# Altium PCB PCB_Left.PcbDoc (part 1 of 2)
Units mm, origin at the board's own origin, x right, y up, seen from the top; angles counter-clockwise.
Board outline 52.5 x 60 mm, 8 copper layers (Top Side, Inner 1 (HS), Inner 2 (GND), Inner Layer 3, Inner Layer 4, Inner 5 (GND), Inner 6 (HS), Bottom Side), stack 0.912 mm thick; 46 components, 96 nets, 347 pads, 360 vias.
Unrouted connection lines stored in the file: 18.
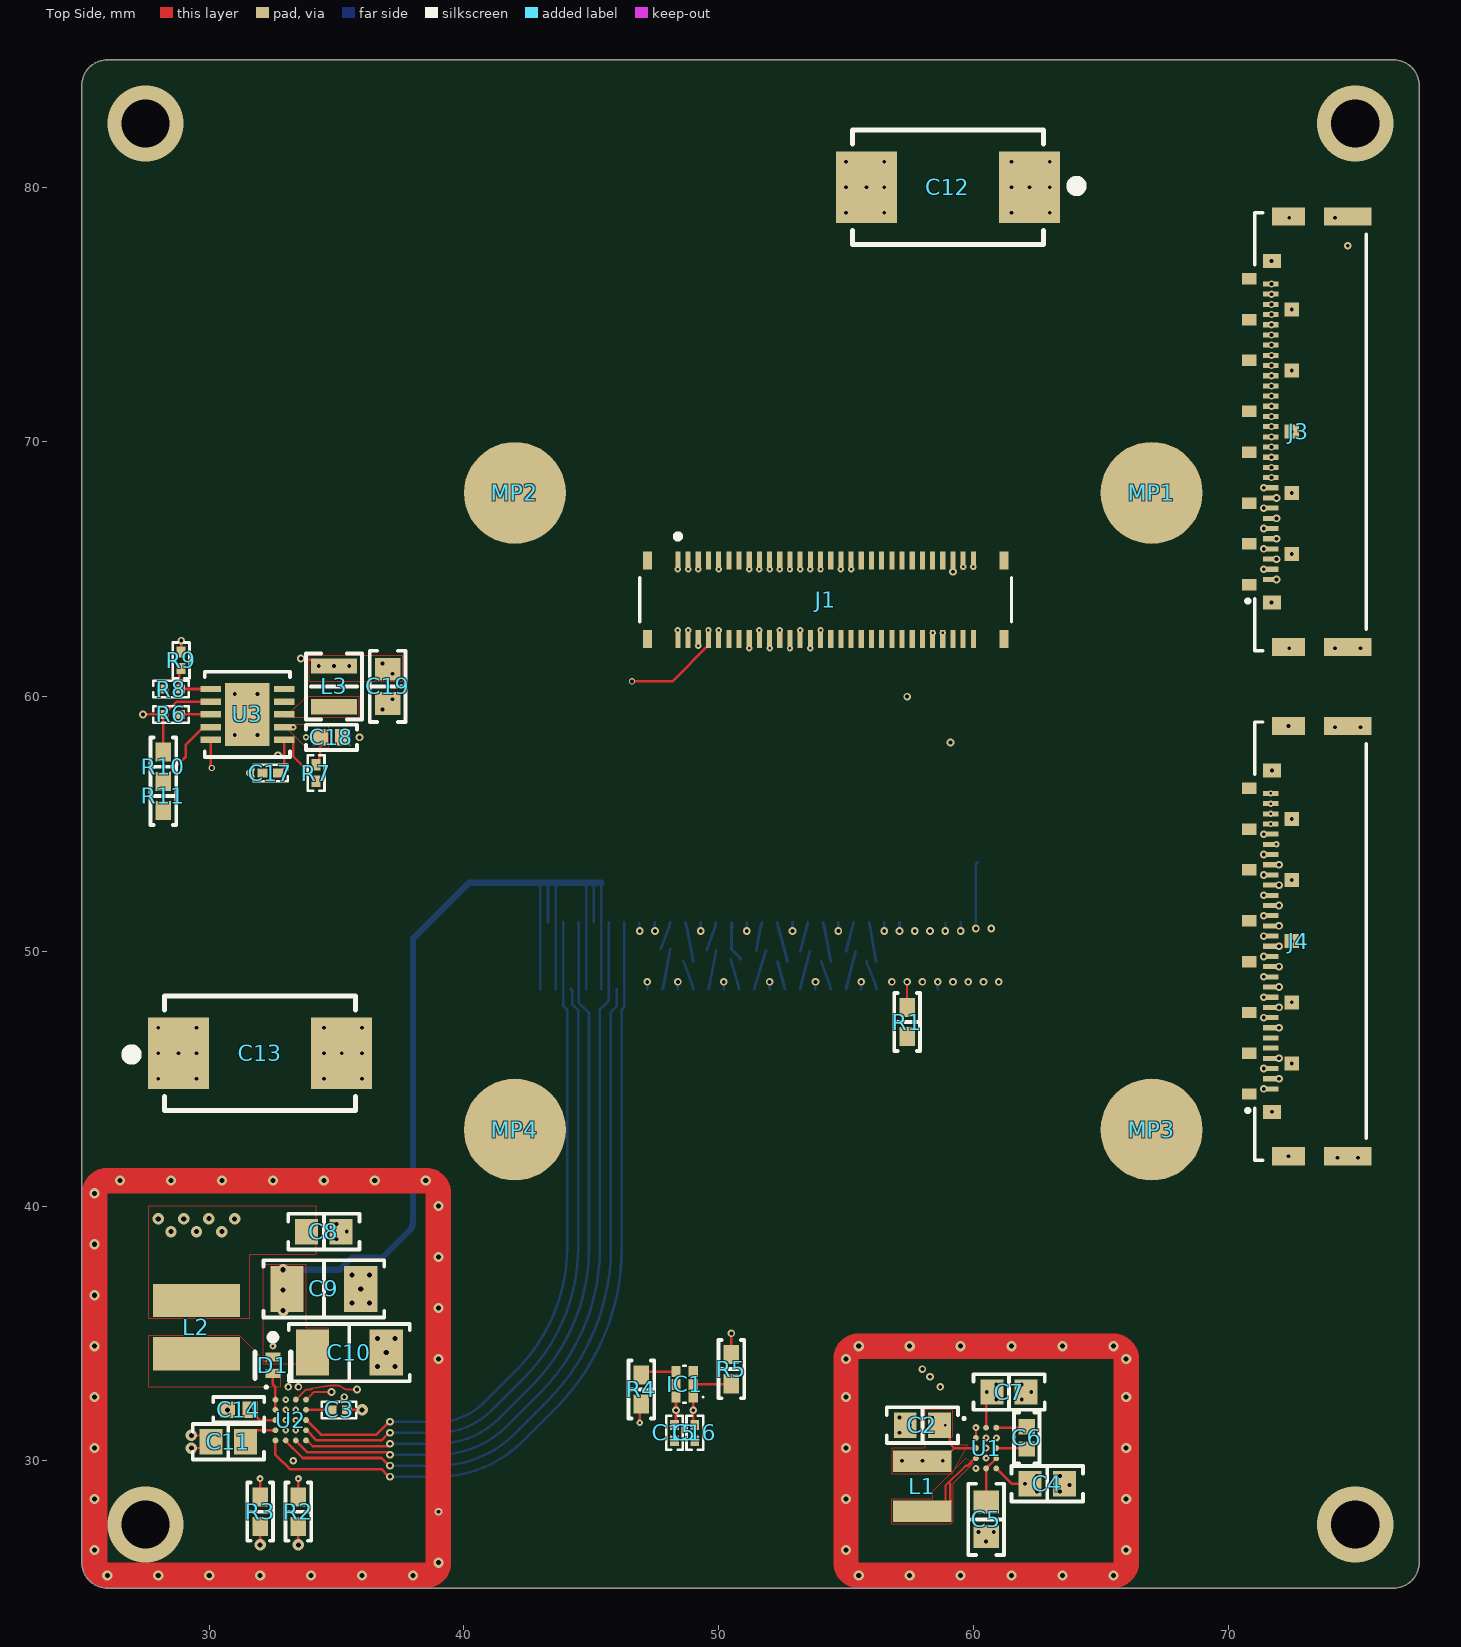
[diagram p0: Top Side view]
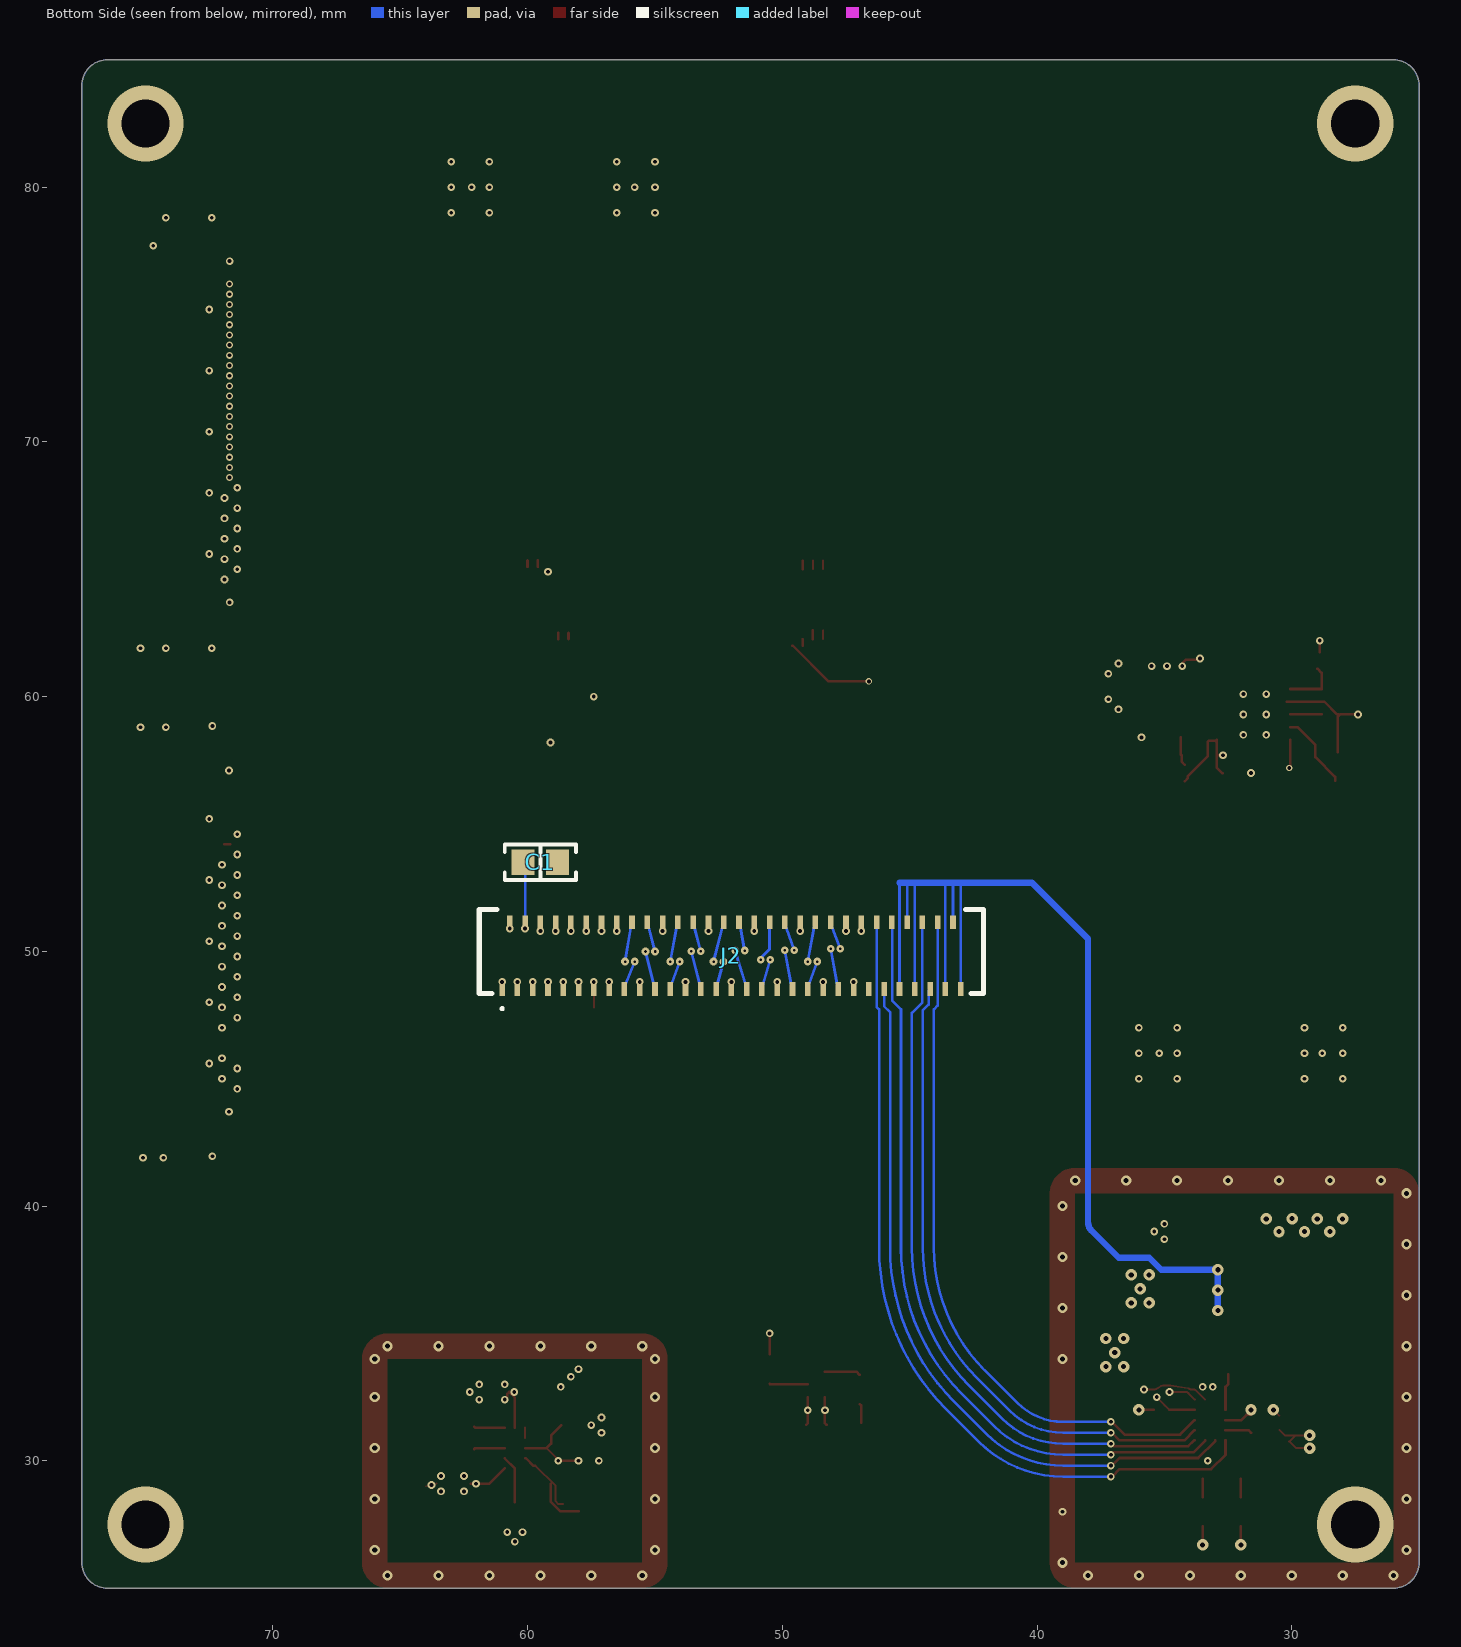
[diagram p1: Bottom Side view, seen from below]
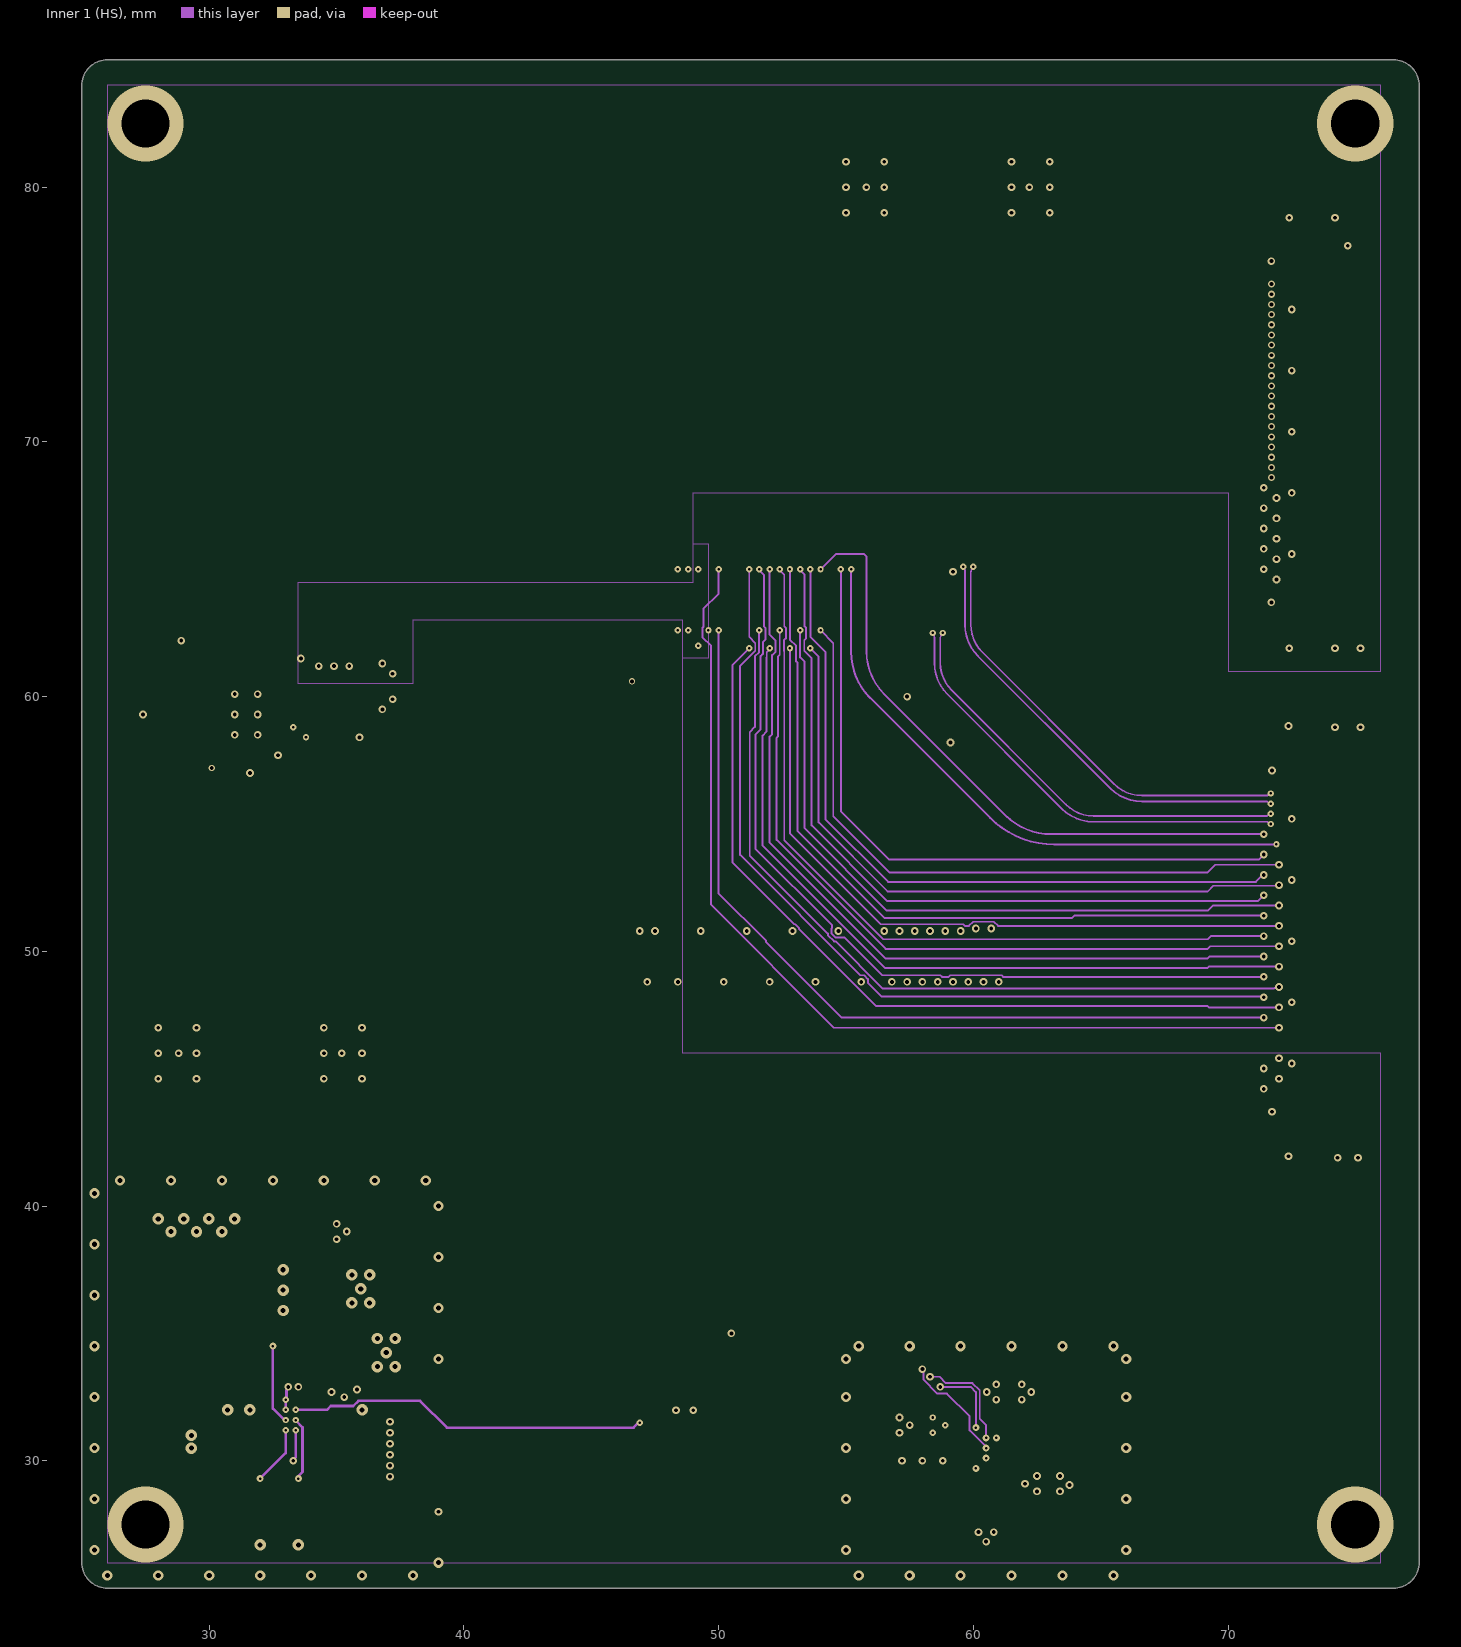
[diagram p2: Inner 1 (HS)]
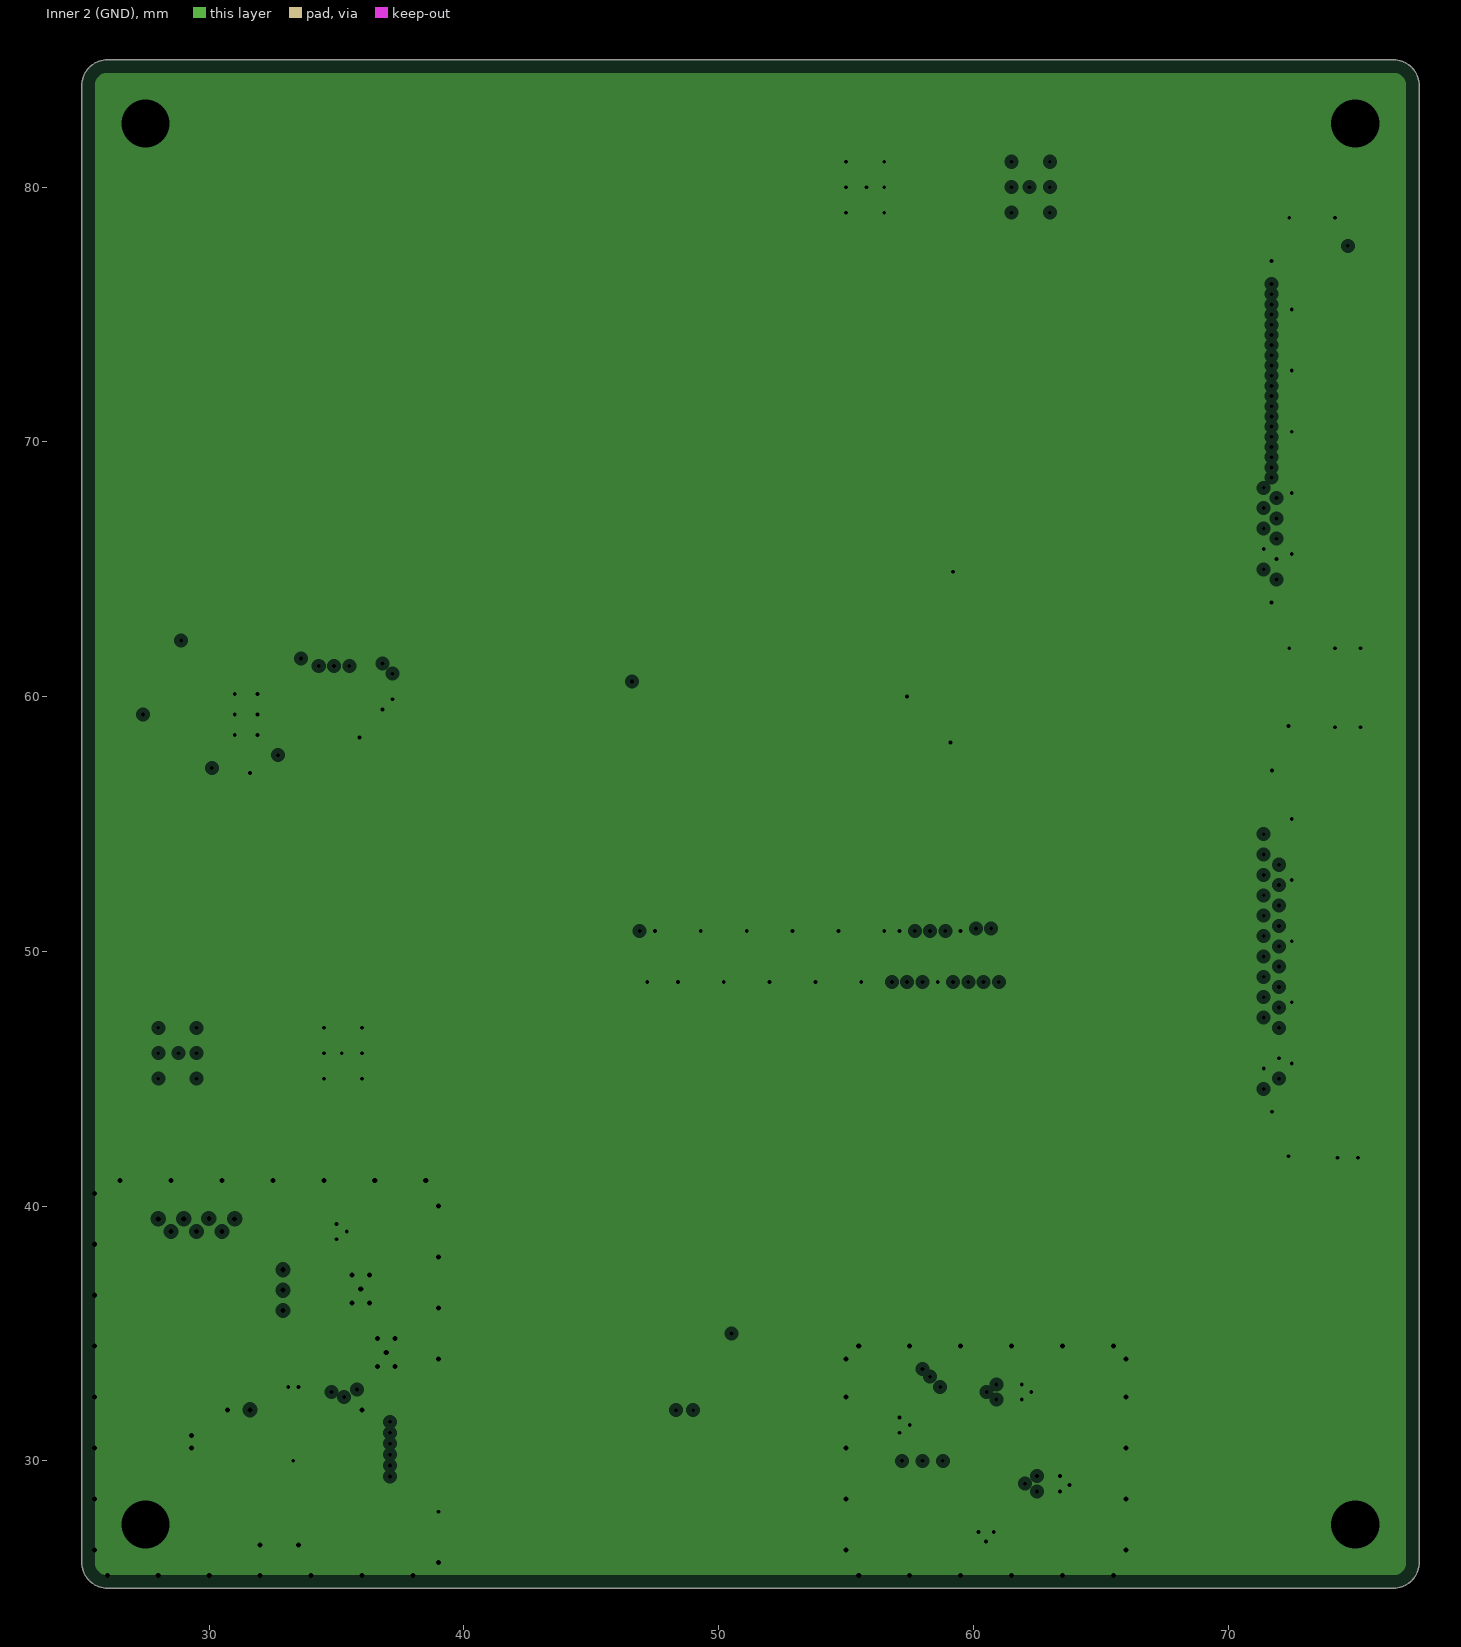
[diagram p3: Inner 2 (GND), clearances drawn from the general rule]
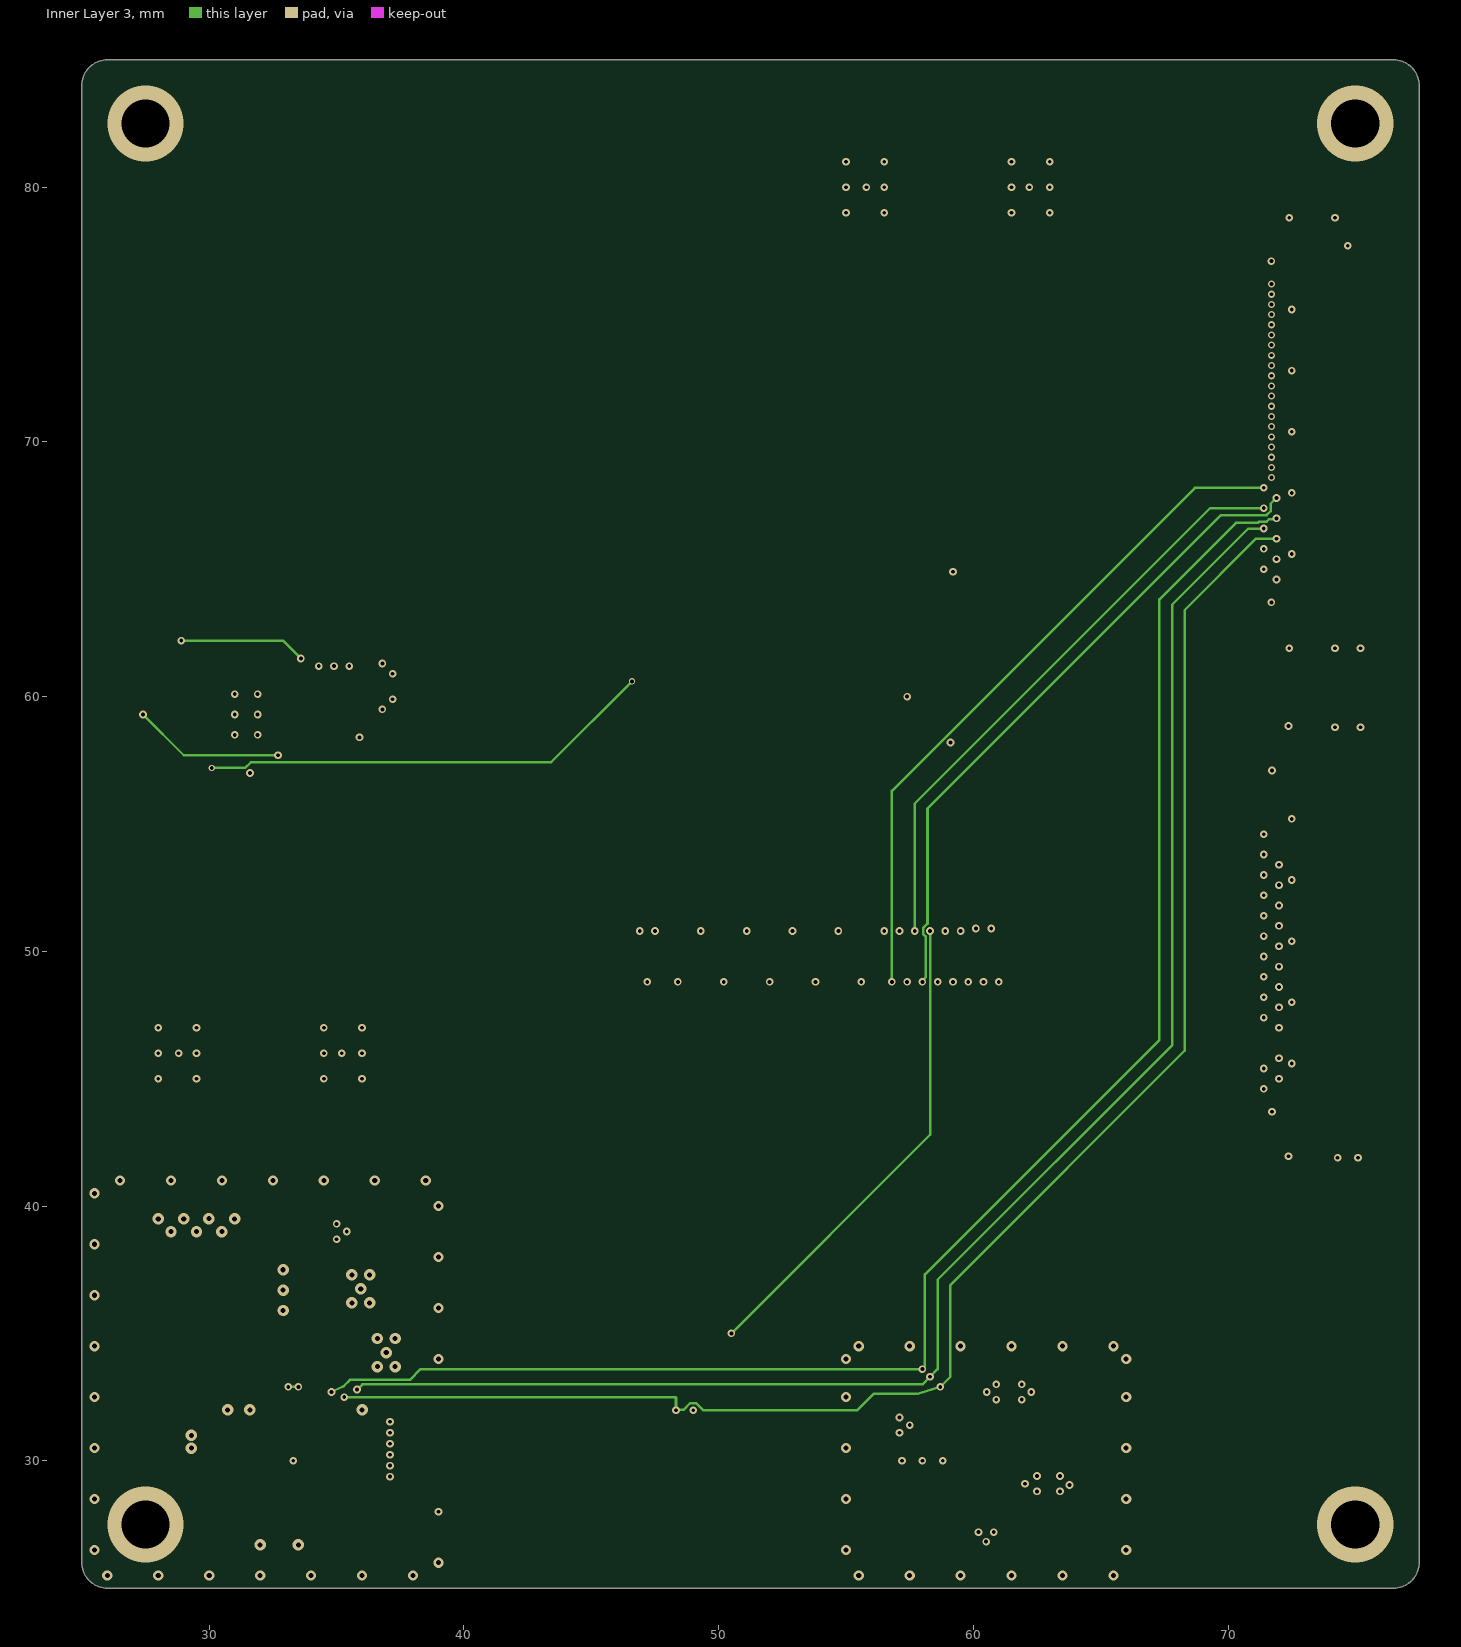
[diagram p4: Inner Layer 3]
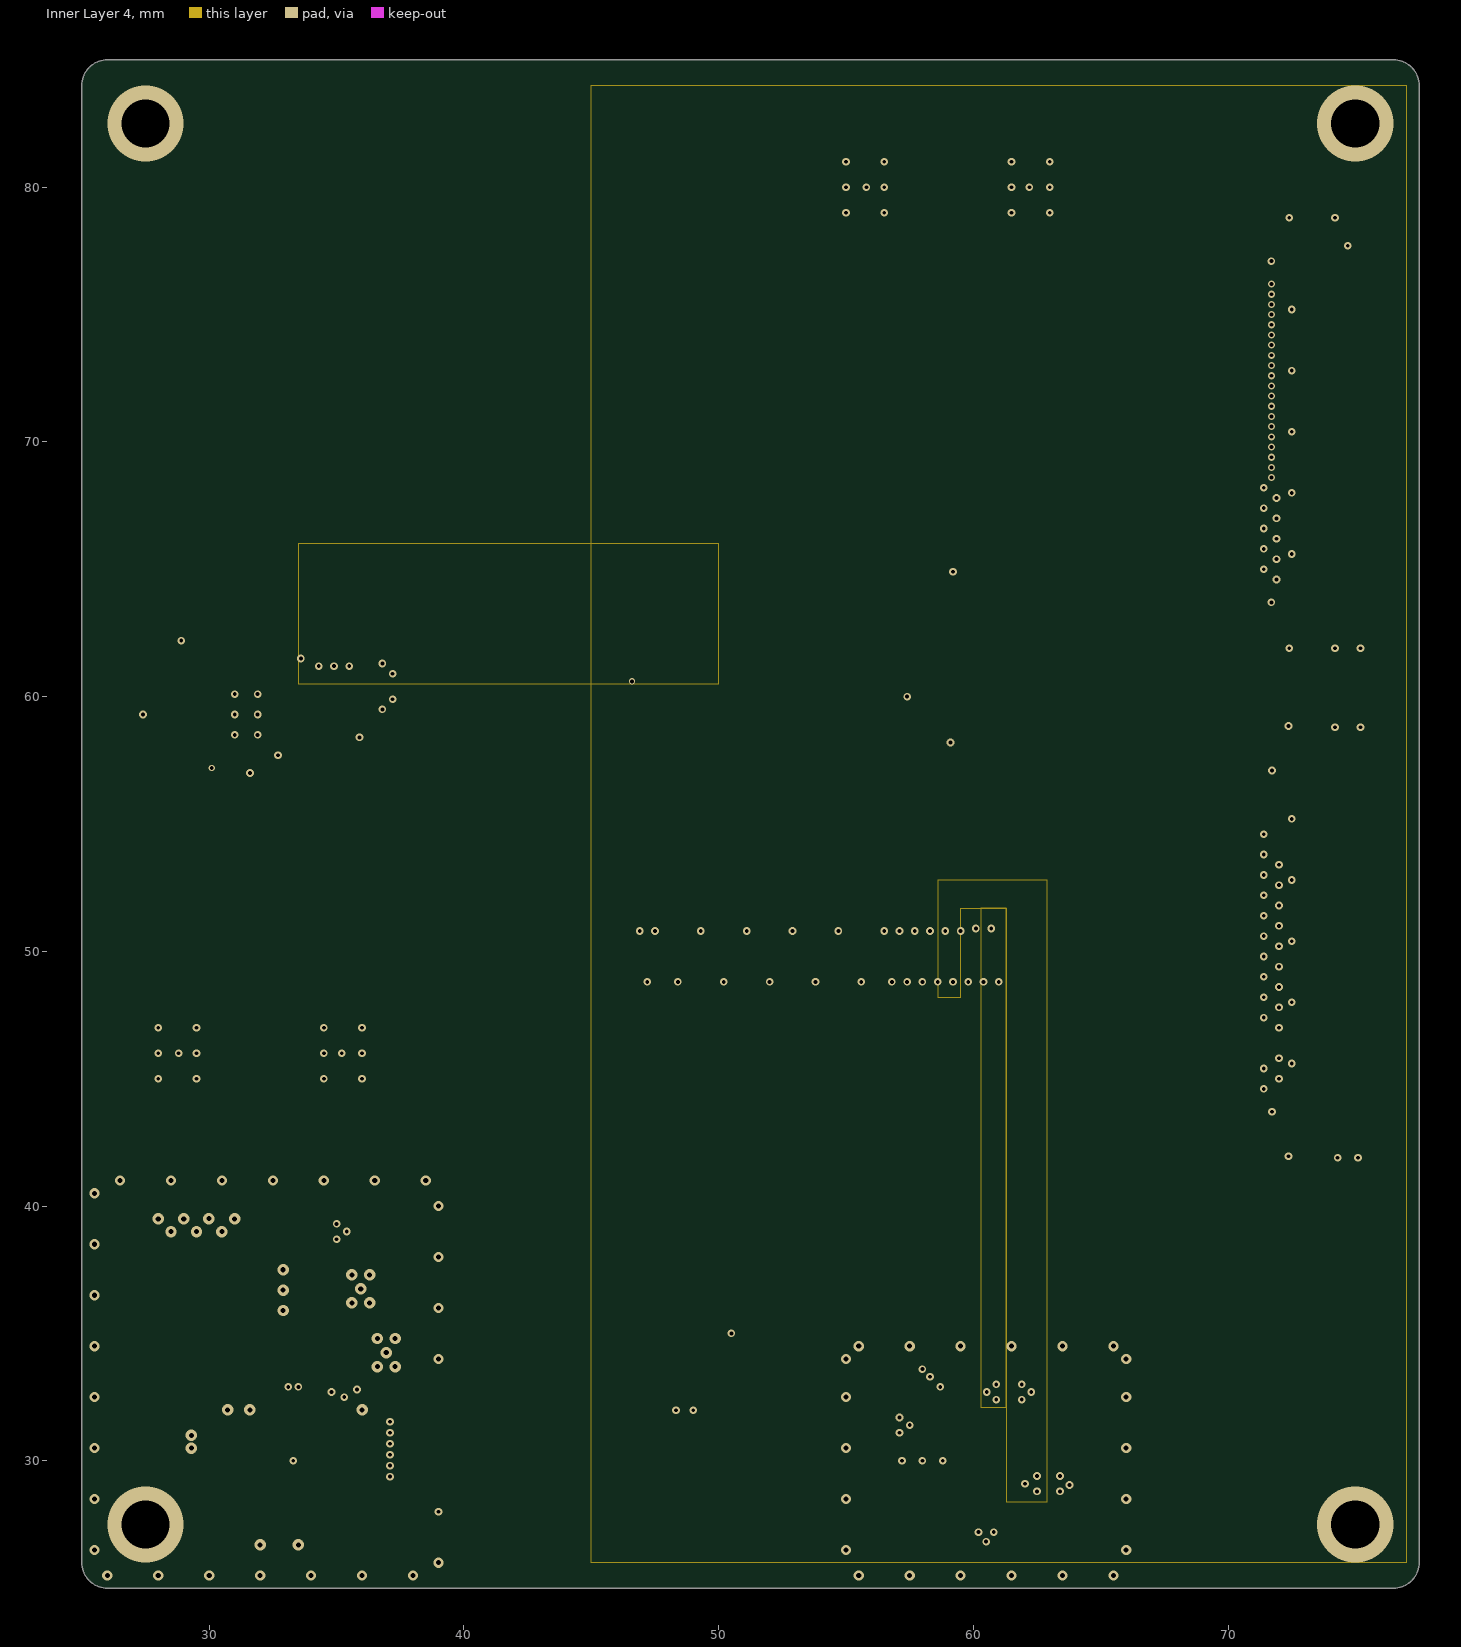
[diagram p5: Inner Layer 4]
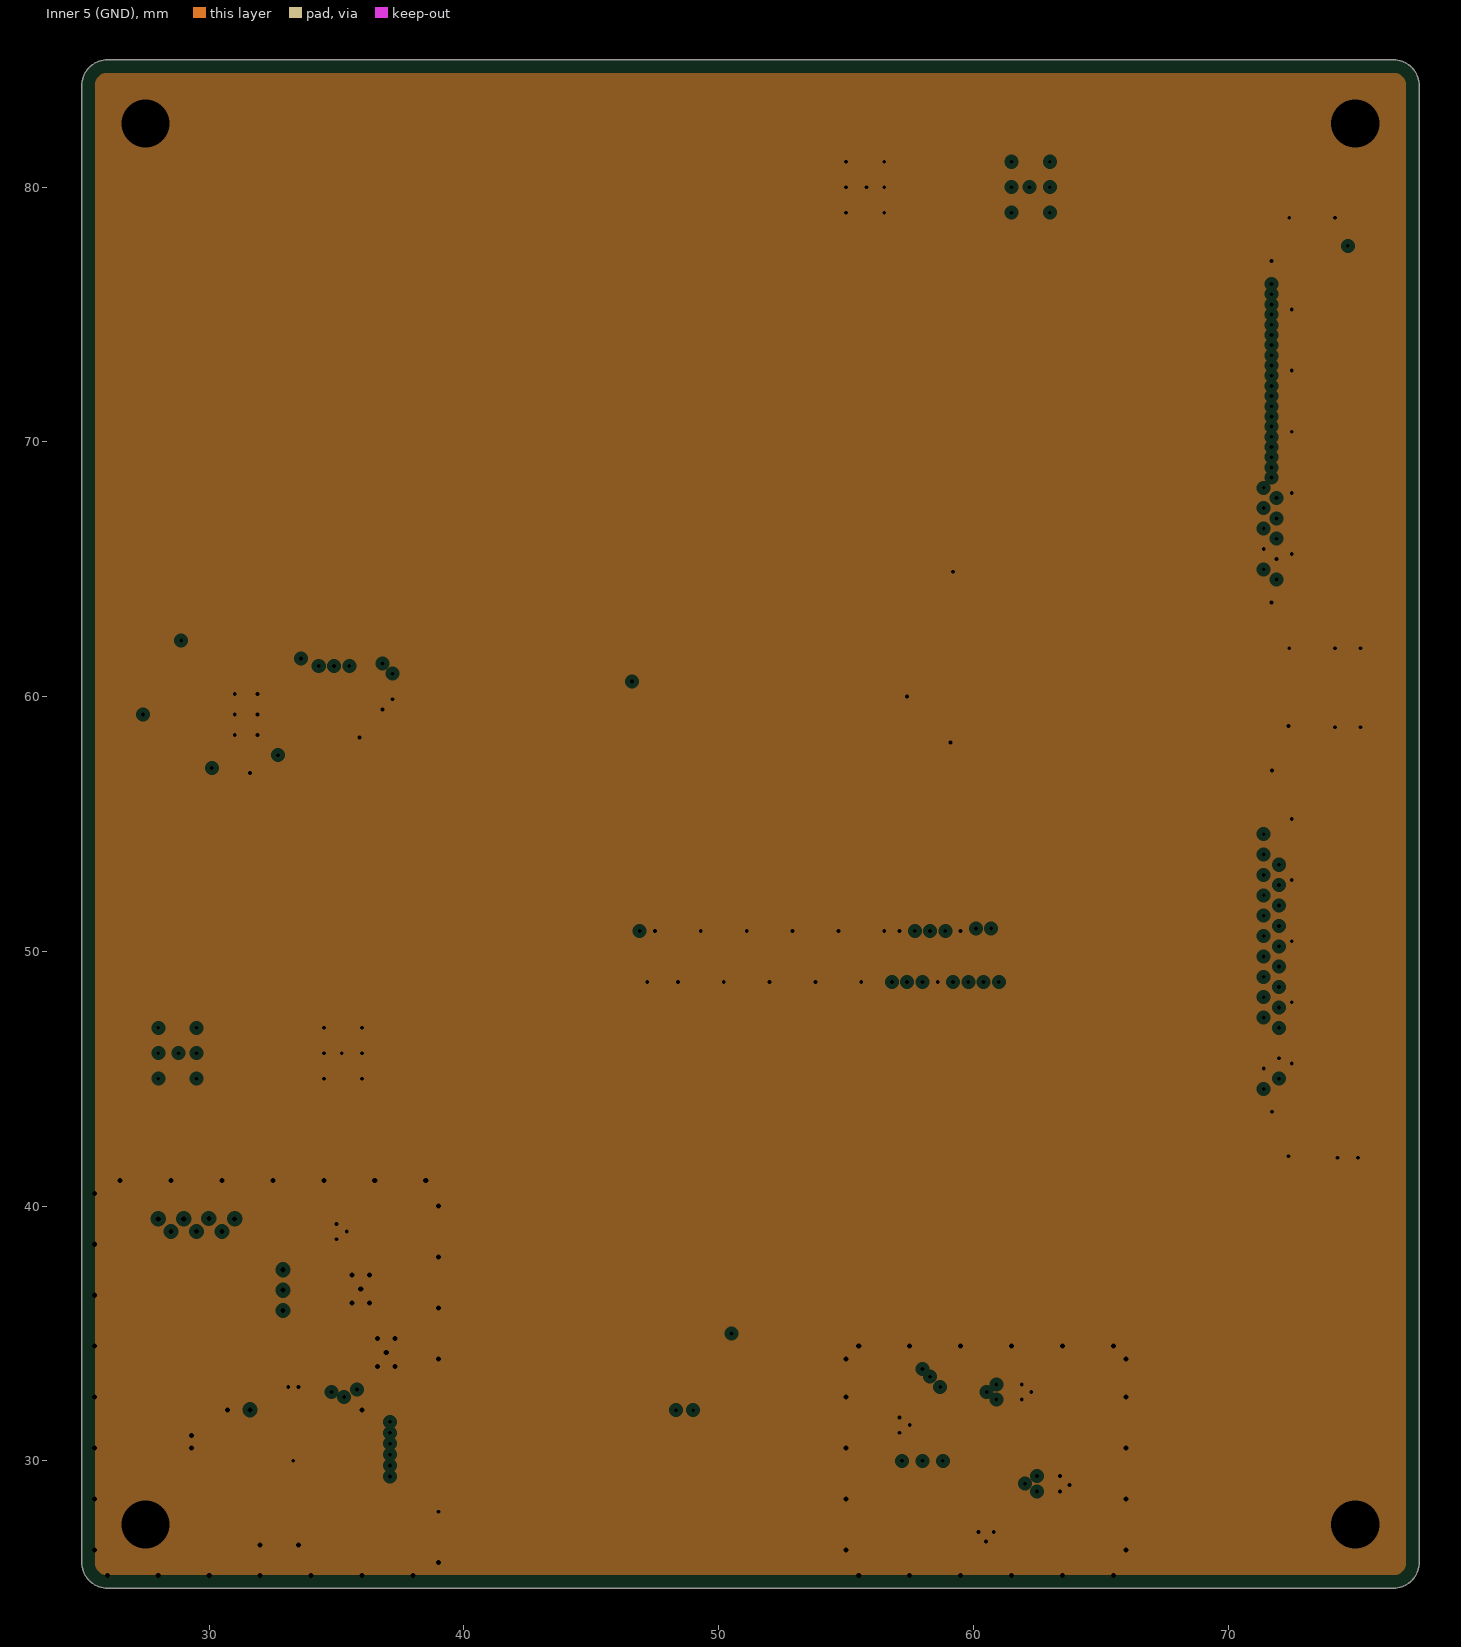
[diagram p6: Inner 5 (GND), clearances drawn from the general rule]